# KiCad board cyberdeck-alpha.kicad_pcb (continued)
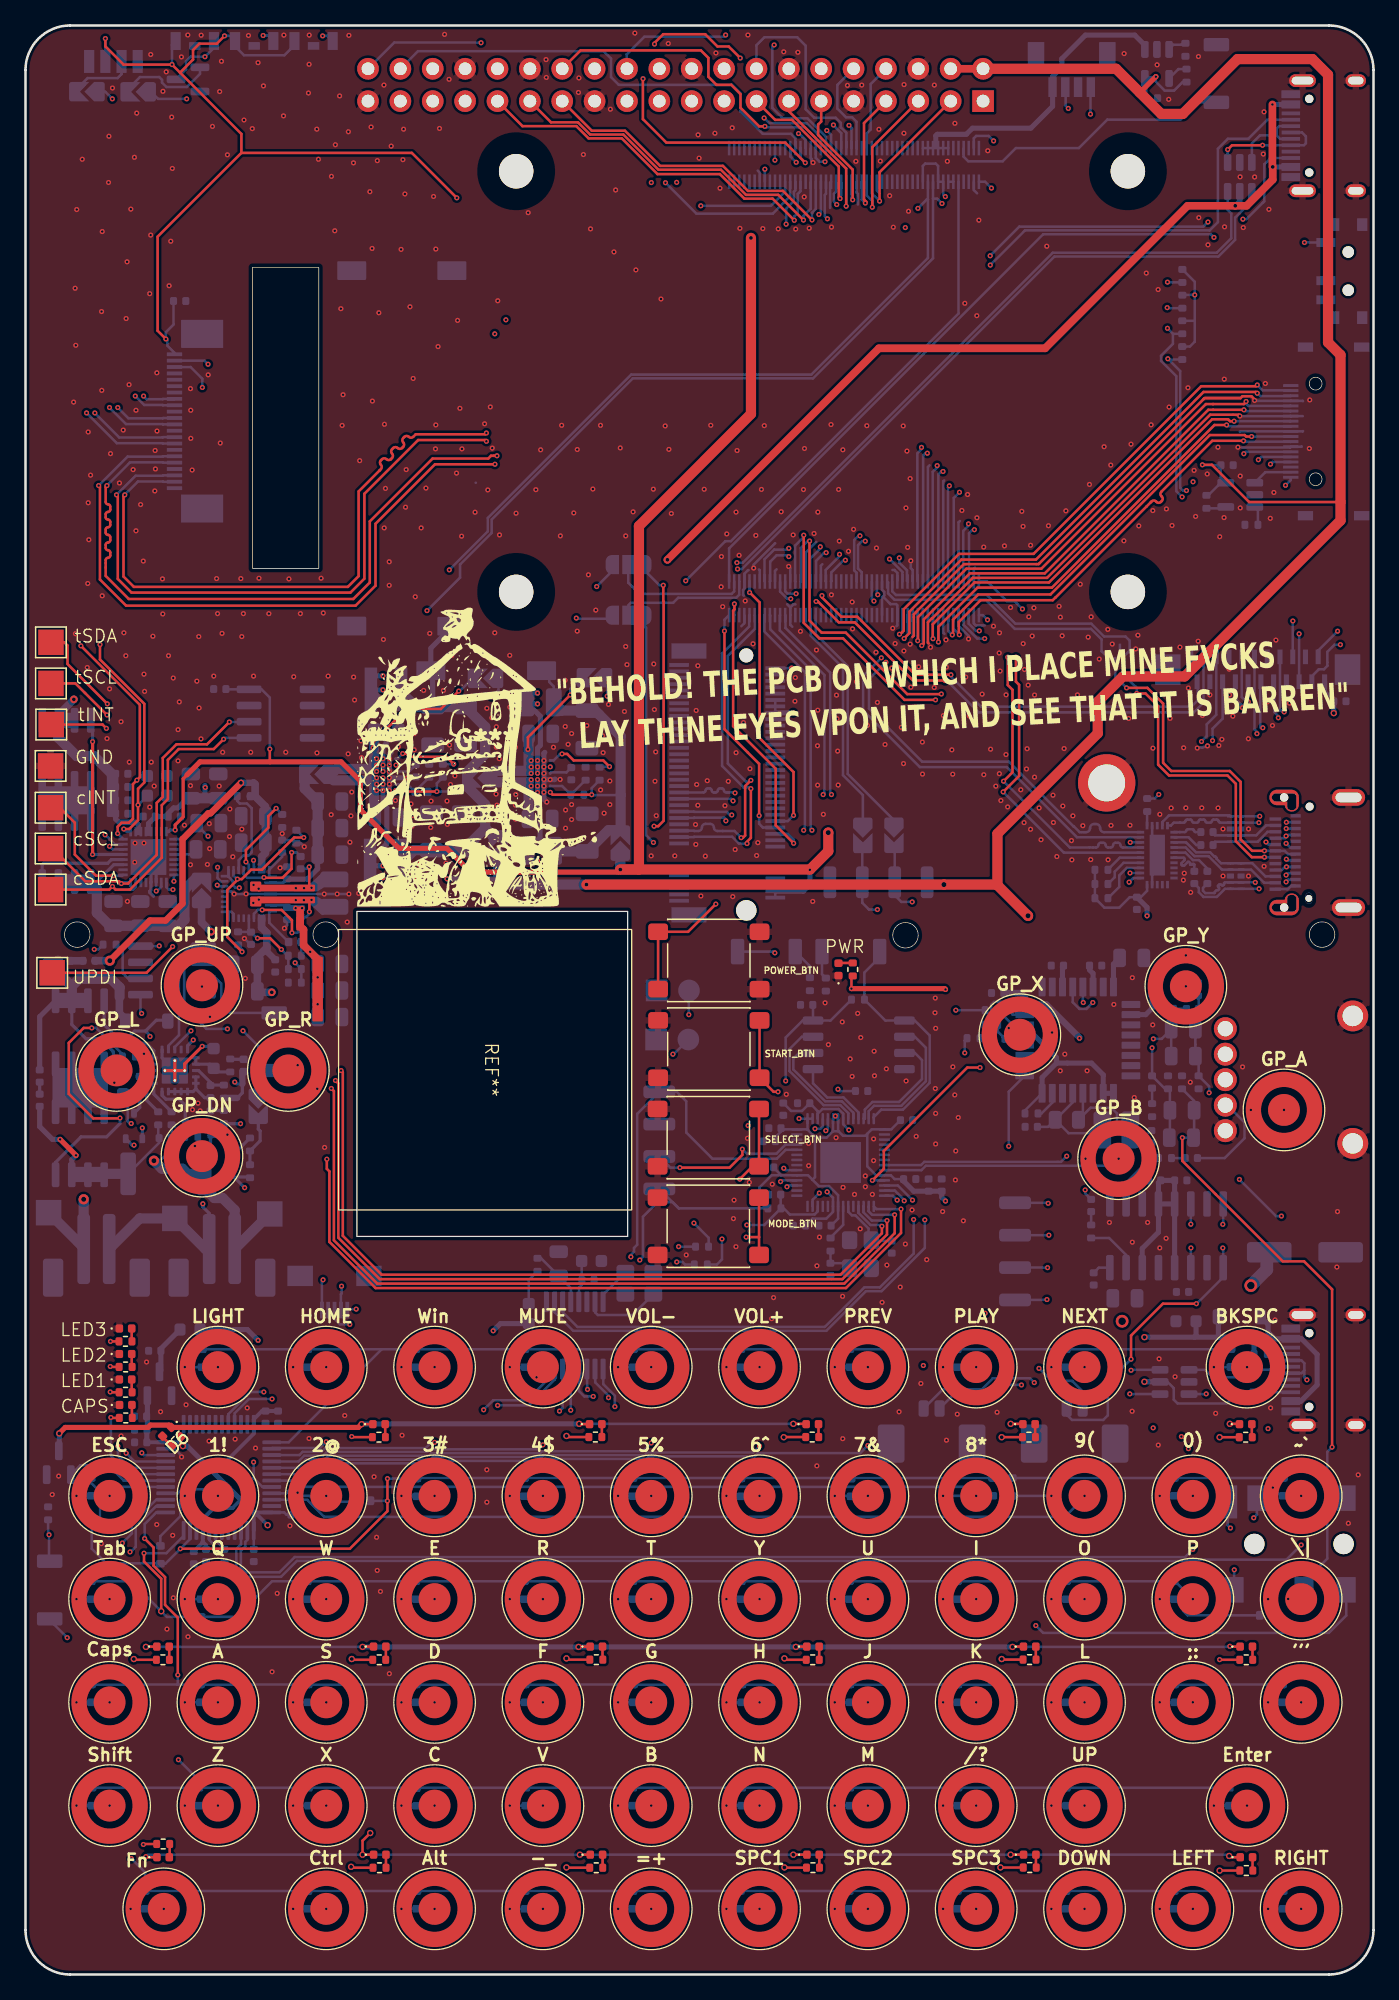
[diagram p0: board, top side]
## Placement (name value [footprint] x y rotation side) (continued)
R3  30R  [R_0402_1005Metric]  11.83 41.84 45 top
R4  30R  [R_0402_1005Metric]  95.79 24.69 180 top
R5  30R  [R_0402_1005Metric]  10.78 24.69 180 top
R6  30R  [R_0402_1005Metric]  95.75 42.15 180 top
R7  30R  [R_0402_1005Metric]  10.81 10.24 180 top
R8  30R  [R_0402_1005Metric]  78.8 8.39 180 top
R9  30R  [R_0402_1005Metric]  27.73 42.16 180 top
R10  30R  [R_0402_1005Metric]  78.79 24.71 180 top
R11  30R  [R_0402_1005Metric]  27.76 24.69 180 top
R12  30R  [R_0402_1005Metric]  78.74 42.16 180 top
R13  30R  [R_0402_1005Metric]  27.78 8.38 180 top
R14  30R  [R_0402_1005Metric]  61.79 8.38 180 top
R15  30R  [R_0402_1005Metric]  44.72 42.17 180 top
R16  30R  [R_0402_1005Metric]  61.77 24.69 180 top
R17  30R  [R_0402_1005Metric]  44.79 24.7 180 top
R18  30R  [R_0402_1005Metric]  61.73 42.17 180 top
R19  30R  [R_0402_1005Metric]  44.79 8.38 180 top
R20  30R  [R_0402_1005Metric]  7.85 49.67 0 top
R21  30R  [R_0402_1005Metric]  7.86 47.67 0 top
R22  30R  [R_0402_1005Metric]  7.86 45.68 0 top
R23  30R  [R_0402_1005Metric]  7.87 43.67 0 top
R24  30R  [R_0402_1005Metric]  64.91 78.85 90 top
R25  1K  [R_0402_1005Metric]  61.55 77.69 270 bottom
R26  10K  [R_0402_1005Metric]  65.32 76.48 0 bottom
R27  22R  [R_0402_1005Metric]  53.09 57.1 0 bottom
R28  22R  [R_0402_1005Metric]  52.99 55.7 0 bottom
R29  1K  [R_0402_1005Metric]  63.17 57.27 90 bottom
R30  1K  [R_0402_1005Metric]  62.8 77.66 270 bottom
R31  10K  [R_0402_1005Metric]  58.77 60.1 180 bottom
R32  10K  [R_0402_1005Metric]  83.62 58.29 270 bottom
R33  10K  [R_0402_1005Metric]  89.41 64.05 180 bottom
R34  16R  [R_0402_1005Metric]  88.4 67.81 90 bottom
R35  16R  [R_0402_1005Metric]  92 77.29 270 bottom
R36  3.3K  [R_0402_1005Metric]  89.65 69.99 270 bottom
R37  3.3K  [R_0402_1005Metric]  89.56 75.75 0 bottom
R38  3.3K  [R_0402_1005Metric]  90.75 69.99 270 bottom
R39  3.3K  [R_0402_1005Metric]  92.05 69.99 90 bottom
R40  56K  [R_0402_1005Metric]  96.82 45.66 180 bottom
R41  56K  [R_0402_1005Metric]  96.92 48.7 180 bottom
R42  0R  [R_0402_1005Metric]  40.18 55.68 270 bottom
R43  22R  [R_0402_1005Metric]  74.39 73.45 0 bottom
R44  22R  [R_0402_1005Metric]  75.81 75.65 0 bottom
R45  1.5K  [R_0402_1005Metric]  75.79 74.5 180 bottom
R46  1.5K  [R_0402_1005Metric]  78.94 67.55 0 bottom
R47  1M  [R_0805_2012Metric]  81.71 67.05 180 bottom
R48  470K  [R_0402_1005Metric]  32.75 94.43 270 bottom
R49  430K  [R_0402_1005Metric]  31.08 92.78 0 bottom
R50  82K  [R_0402_1005Metric]  31.68 94.43 270 bottom
R51  470K  [R_0402_1005Metric]  45.05 94.21 270 bottom
R52  470K  [R_0402_1005Metric]  43.3 92.56 0 bottom
R53  150K  [R_0402_1005Metric]  43.95 94.21 270 bottom
R54  1.8K  [R_0402_1005Metric]  90.78 133.26 270 bottom
R55  1.8K  [R_0402_1005Metric]  90.78 131.23 270 bottom
R56  10K  [R_0402_1005Metric]  92.67 115.53 90 bottom
R61  10K  [R_0402_1005Metric]  91.1 148.97 270 bottom
R62  6.8K  [R_0402_1005Metric]  96.19 113.73 0 bottom
R63  6.8K  [R_0402_1005Metric]  91.02 150.99 90 bottom
R64  1K  [R_0402_1005Metric]  17.62 63.02 270 bottom
R66  1K  [R_0402_1005Metric]  6.6 80.8 0 bottom
R67  200K  [R_0402_1005Metric]  88.02 91.75 270 bottom
R68  909K  [R_0402_1005Metric]  84.43 86.67 0 bottom
R69  10K  [R_0402_1005Metric]  84.43 84.44 0 bottom
R70  200K  [R_0402_1005Metric]  84.43 85.55 0 bottom
R71  100R  [R_0402_1005Metric]  17.13 92.44 0 bottom
R72  6.04K  [R_0402_1005Metric]  20.15 90.5 90 bottom
R73  127K  [R_0402_1005Metric]  16.68 81.29 90 bottom
R74  100K  [R_0402_1005Metric]  21.26 89.27 90 bottom
R75  10K  [R_0402_1005Metric]  21.14 78.88 0 bottom
R83  1.8K  [R_0402_1005Metric]  90.77 129.23 270 bottom
R84  1.8K  [R_0402_1005Metric]  90.77 127.21 270 bottom
R85  5.1K  [R_0402_1005Metric]  8.12 72.02 0 bottom
R86  5.1K  [R_0402_1005Metric]  8.12 73.07 0 bottom
R87  10M  [C_0603_1608Metric]  7.67 69.87 270 bottom
R88  100R  [R_0402_1005Metric]  16.07 71.32 90 bottom
R89  10R  [R_0402_1005Metric]  15.57 69.27 270 bottom
R90  10R  [R_0402_1005Metric]  15.57 67.27 270 bottom
R91  10R  [R_0402_1005Metric]  13.02 65.72 0 bottom
R92  100R  [R_0402_1005Metric]  11.47 67.17 90 bottom
R93  100R  [R_0402_1005Metric]  10.42 67.17 270 bottom
R94  1m  [R_2512_6332Metric]  11.02 62.82 0 bottom
R95  10K  [R_0402_1005Metric]  17.62 65.12 90 bottom
R96  10K  [R_0402_1005Metric]  21.14 77.82 180 bottom
R97  3.3K  [R_0402_1005Metric]  21.13 79.93 180 bottom
REF**  -  [JOYCON]  36.07 70.98 270 top  (not fitted)
RV1  10K  [RK10J12E0A0A volume thumbwheel]  94.15 66.2 90 bottom
S1  SSSS811101  [SW_SSSS811101]  103.79 133.63 270 bottom
SJ1  HUB_D_P  [SOLDERJUMPER_ARROW_NOPASTE]  65.71 89.37 270 bottom
SJ2  HUB_D_M  [SOLDERJUMPER_ARROW_NOPASTE]  68.15 89.38 270 bottom
SJ6  GPIO26_IR_SENS  [SOLDERJUMPER_ARROW_NOPASTE]  4.82 147.71 180 bottom
SJ7  GPIO16_IR_CTRL  [SOLDERJUMPER_ARROW_NOPASTE]  8.84 147.69 180 bottom
SJ8  3V_EN  [SOLDERJUMPER_ARROW_NOPASTE]  44.65 101.74 180 bottom
SJ9  5V_EN  [SOLDERJUMPER_ARROW_NOPASTE]  36.1 101.69 180 bottom
SJ10  3V_IN  [SOLDERJUMPER_ARROW_NOPASTE]  35.65 93.86 180 bottom
SJ11  5V_IN  [SOLDERJUMPER_ARROW_NOPASTE]  22.86 94.16 180 bottom
SJ12  5V_OUT  [SOLDERJUMPER_ARROW_NOPASTE]  37.1 88.39 90 bottom
SJ13  3V_OUT  [SOLDERJUMPER_ARROW_NOPASTE]  46.67 88.76 90 bottom
SJ14  SHP_OFF  [SOLDERJUMPER_ARROW_NOPASTE]  18.27 68.12 270 bottom
SJ15  PD_PSU  [SOLDERJUMPER_ARROW_NOPASTE]  13.82 85.05 90 bottom
TP1  TestPoint_Small  [TestPoint_Pad_2.0x2.0mm]  1.82 59.77 270 bottom
TP2  TestPoint_Small  [TestPoint_Pad_2.0x2.0mm]  11.72 59.32 270 bottom
TP3  TestPoint_Small  [TestPoint_Pad_2.0x2.0mm]  1.97 94.81 0 top
TP4  TestPoint_Small  [TestPoint_Pad_2.0x2.0mm]  2.1 78.59 0 top
TP5  TestPoint_Small  [TestPoint_Pad_2.0x2.0mm]  19.17 59.67 270 bottom
TP6  TestPoint_Small  [TestPoint_Pad_2.0x2.0mm]  2.02 98.06 0 top
TP7  TestPoint_Small  [TestPoint_Pad_2.0x2.0mm]  2 104.51 0 top
TP8  TestPoint_Small  [TestPoint_Pad_2.0x2.0mm]  2 101.29 0 top
TP10  TestPoint_Small  [TestPoint_Pad_2.0x2.0mm]  1.97 88.34 90 top
TP11  TestPoint_Small  [TestPoint_Pad_2.0x2.0mm]  1.97 85.11 90 top
TP12  TestPoint_Small  [TestPoint_Pad_2.0x2.0mm]  1.97 91.54 90 top
U1  W25Q128JVS  [SOIC-8_5.3x5.3mm_P1.27mm]  65.38 72.93 180 bottom
U2  STM32F072CBT6  [LQFP-48_7x7mm_P0.5mm]  15.16 39 90 bottom
U3  XC6206  [SOT-23]  10.51 46.35 90 bottom
U4  -  [BQ25792RQMR]  17.53 84.77 90 bottom
U5  RP2040  [QFN-56-1EP_7x7mm_P0.4mm_EP3.2x3.2mm]  63.96 63.7 180 bottom
U6  USBLC6-2SC6  [SOT-23-6]  90.16 46.49 180 bottom
U7  CH334R  [QSOP-16_3.9x4.9mm_P0.635mm]  43.1 50.14 90 bottom
U8  PAM8406AB  [SOP-16_3.9x9.9mm_P1.27mm]  89.54 57.95 90 bottom
U9  PCM2706CPJT  [QFP80P900X900X120-32N]  82.57 73.3 180 bottom
U10  TPS62180YZFR  [BGA24N50P4X6_310X210X62N]  28.3 94.13 0 bottom
U11  TPS62180YZFR  [BGA24N50P4X6_310X210X62N]  40.43 93.99 0 bottom
U12  SY6280_OCP  [SOT-23-5]  95.32 116.08 180 bottom
U14  USBLC6-2SC6  [SOT-23-6]  95.28 141.02 270 bottom
U15  SY6280_OCP  [SOT-23-5]  88.78 149.89 270 bottom
U16  BQ76905RGRR  [IC_BQ76905RGRR]  11.72 70.92 90 bottom
U17  ATtiny202-SS  [SOIC-8_3.9x4.9mm_P1.27mm]  11.5 78.78 0 bottom
U18  -  [TPS25751SRSMR]  9.65 87.67 180 bottom
U19  HD3SS3220IRNHT  [HD3SS3220]  88.81 87.82 0 bottom
U20  -  [TPD4EUSB30DQAR]  94.97 89.87 180 bottom
U21  -  [TPD4EUSB30DQAR]  94.97 86.18 180 bottom
U22  AT24CS01-SSHM  [SOIC-8_3.9x4.9mm_P1.27mm]  20.02 98.92 180 bottom
X1  X322512MSB4SI  [Crystal_SMD_3225-4Pin_3.2x2.5mm]  48.17 54.23 180 bottom
X2  X322512MSB4SI  [Crystal_SMD_3225-4Pin_3.2x2.5mm]  65.51 56.51 90 bottom
X3  X322512MSB4SI  [Crystal_SMD_3225-4Pin_3.2x2.5mm]  85.6 66.26 180 bottom

## Library data of the parts
BT1 BT2 = -: Description: Single-cell battery; LCSC: C7433663
C1 C17 C20 C66 C67 C72-C75 C79 C83 C88-C92 C100 C101 C106 C107 C113 C114 C119 C120 C123 = -: Description: Unpolarized capacitor, small symbol; LCSC: C1525; ki_fp_filters: C_*
C2 C3 = -: Description: Unpolarized capacitor, small symbol; LCSC: C52923; ki_fp_filters: C_*
C4 C5 C7 C10 C32 = -: Description: Unpolarized capacitor, small symbol; LCSC: C1525; MPN: CL05B104KB54PNC; ki_fp_filters: C_*
C6 C11 C76 C112 = -: Description: Unpolarized capacitor, small symbol; LCSC: C23733; MPN: CL05A475MP5NRNC; ki_fp_filters: C_*
C8 = -: Description: Unpolarized capacitor, small symbol; LCSC: C15195; MPN: CL05B103KB5NNNC; ki_fp_filters: C_*
C9 = -: Description: Unpolarized capacitor, small symbol; LCSC: C52923; MPN: CL05A105KA5NQNC; ki_fp_filters: C_*
C12 C15 C22-C25 C27 C29 C30 = -: Description: Unpolarized capacitor; LCSCS: C1525; LCSC: C1525; ki_fp_filters: C_*
C13 C14 = -: LCSC: C1554; ki_fp_filters: C_*
C16 C35 = -: Description: Unpolarized capacitor; LCSC: C1525; ki_fp_filters: C_*
C18 C19 = -: Description: Unpolarized capacitor; LCSC: C92361; ki_fp_filters: C_*
C21 C26 C31 C34 C36 C37 C48 C49 C51-C53 = -: Description: Unpolarized capacitor; LCSC: C52923; ki_fp_filters: C_*
C28 = -: Description: Unpolarized capacitor, small symbol; LCSC: C96446; MPN: CL05A105KA5NQNC; ki_fp_filters: C_*
C33 C39 C42-C45 C50 C54 C55 C61 C62 = -: Description: Unpolarized capacitor; LCSC: C6119899; ki_fp_filters: C_*
C38 = -: Description: Polarized capacitor; LCSC: C37308; ki_fp_filters: CP_*
C40 C41 = -: Description: Unpolarized capacitor; LCSC: C1532; ki_fp_filters: C_*
C46 C47 = -: Description: Unpolarized capacitor; LCSC: C1554; ki_fp_filters: C_*
C56-C59 C64 C65 = -: Description: Unpolarized capacitor; LCSC: C5448950; ki_fp_filters: C_*
C60 C63 = -: Description: Unpolarized capacitor; LCSC: C1536; ki_fp_filters: C_*
C77 C93 = -: Description: Unpolarized capacitor, small symbol; LCSC: C1538; ki_fp_filters: C_*
C84 = -: Description: Unpolarized capacitor, small symbol; LCSC: C23630; ki_fp_filters: C_*
C85-C87 = -: Description: Unpolarized capacitor, small symbol; LCSC: C16772; ki_fp_filters: C_*
C94 = -: Description: Unpolarized capacitor, small symbol; LCSC: C1523; ki_fp_filters: C_*
C95-C99 C102-C105 C108-C111 C121 C122 = -: Description: Unpolarized capacitor, small symbol; LCSC: C15850; ki_fp_filters: C_*
C115 C116 = -: Description: Unpolarized capacitor, small symbol; LCSC: C6119899; ki_fp_filters: C_*
C117 C118 = -: Description: Unpolarized capacitor, small symbol; LCSC: C1664; ki_fp_filters: C_*
D1 = -: Description: Light emitting diode; Sim.Pins: 1=K 2=A; LCSC: C41366936; Description_1: User3; ki_fp_filters: LED* LED_SMD:* LED_THT:*
D2 = -: Description: Light emitting diode; Sim.Pins: 1=K 2=A; LCSC: C41366936; Description_1: User2; ki_fp_filters: LED* LED_SMD:* LED_THT:*
D3 = -: Description: Light emitting diode; Sim.Pins: 1=K 2=A; LCSC: C41366936; Description_1: User1; ki_fp_filters: LED* LED_SMD:* LED_THT:*
D4 = -: Description: Light emitting diode; Sim.Pins: 1=K 2=A; LCSC: C41366936; Description_1: CAPS; ki_fp_filters: LED* LED_SMD:* LED_THT:*
D5-D22 = -: Description: Light emitting diode; Sim.Pins: 1=K 2=A; LCSC: C41366936; ki_fp_filters: LED* LED_SMD:* LED_THT:*
D23 = -: Description: Light emitting diode; Sim.Pins: 1=K 2=A; LCSC: C41366936; Description_1: PWR_LED; ki_fp_filters: LED* LED_SMD:* LED_THT:*
D27-D29 = -: Description: Light emitting diode with pad; LCSC: C2759909; ki_fp_filters: LED* LED_SMD:* LED_THT:*
D30 D32 = -: Description: Schottky diode; LCSC: C2837790; ki_fp_filters: TO-???* *_Diode_* *SingleDiode* D_*
D31 = -: Description: Zener diode; LCSC: C36599; Sim.Device: D; Sim.Pins: 1=K 2=A; ki_fp_filters: TO-???* *_Diode_* *SingleDiode* D_*
D33 = -: Description: Zener diode; LCSC: C151819; Sim.Device: D; Sim.Pins: 1=K 2=A; ki_fp_filters: TO-???* *_Diode_* *SingleDiode* D_*
D34 = -: MF: Texas Instruments; Description_1: Dual  0.7-pF, 5.5-V ±8-kV  ESD protection diode with 5-A  surge rating for USB 3.0; Package: SOT-9X3-3 Texas Instruments; Price: None; SnapEDA_Link: https://www.snapeda.com/parts/TPD2EUSB30DRTR/Texas+Instruments/view-part/?ref=snap; Availability: In Stock; Check_prices: https://www.snapeda.com/parts/TPD2EUSB30DRTR/Texas+Instruments/view-part/?ref=eda; LCSC: C97502
D35 = -: Description: Light emitting diode; Sim.Pins: 1=K 2=A; LCSC: C41366936; Description_1: CHG_LED; ki_fp_filters: LED* LED_SMD:* LED_THT:*
D_1-D_68 = -: LCSC: C27748; ki_fp_filters: TO-???* *_Diode_* *SingleDiode* D_*
D_69 = -: LCSC: C116159; ki_fp_filters: TO-???* *_Diode_* *SingleDiode* D_*
F1 F3 F4 = -: Description: Fuse, small symbol; LCSC: C210357; ki_fp_filters: *Fuse*
H1 = -: Description: Mounting Hole without connection; ki_fp_filters: MountingHole*
H2 = -: Description: 3mm-height SMD M.2 m2 mounting nut; LCSC: C2928179; ki_fp_filters: MountingHole*Pad*
J1 = -: Description: Generic connector, single row, 01x04, script generated (kicad-library-utils/schlib/autogen/connector/); LCSC: C160390; ki_fp_filters: Connector*:*_1x??_*
J2 J3 = -: Description: Generic connector, single row, 01x02, script generated; ki_fp_filters: Connector*:*_1x??_*
J4 J9 = -: Description: Generic connector, single row, 01x04, script generated; ki_fp_filters: Connector*:*_1x??_*
J5 = -: Description: Generic connector, single row, 01x04, script generated (kicad-library-utils/schlib/autogen/connector/); ki_fp_filters: Connector*:*_1x??_*
J6 J13 = -: Datasheet: https://www.usb.org/sites/default/files/documents/usb_type-c.zip; Description: USB 2.0-only 16P Type-C Receptacle connector; LCSC: C165948; Description_1: USB 2.0; ki_fp_filters: USB*C*Receptacle*
J7 = -: Description: Generic connector, single row, 01x05, script generated (kicad-library-utils/schlib/autogen/connector/); LCSC: C5213747; ki_fp_filters: Connector*:*_1x??_*
J8 = -: MF: Shouhan; Description_1: Phone Jack; Package: Package; Price: None; SnapEDA_Link: https://www.snapeda.com/parts/PJ-342B/Shouhan/view-part/?ref=snap; Availability: Not in stock; Check_prices: https://www.snapeda.com/parts/PJ-342B/Shouhan/view-part/?ref=eda; LCSC: C7507452
J11 = -: Description: Generic connectable mounting pin connector, single row, 01x22, script generated (kicad-library-utils/schlib/autogen/connector/); LCSC: C262642; ki_fp_filters: Connector*:*_1x??-1MP*
J12 = -: Datasheet: http://pinoutguide.com/PortableDevices/mini_hdmi_pinout.shtml; Description: HDMI 1.3+ type C connector; LCSC: C183605; ki_fp_filters: HDMI*C*
J15 = -: Description: Generic connector, double row, 02x20, odd/even pin numbering scheme (row 1 odd numbers, row 2 even numbers), script generated (kicad-library-utils/schlib/autogen/connector/); LCSC: C2895000; ki_fp_filters: Connector*:*_2x??_*
J16 = -: Datasheet: https://web.archive.org/web/20200613074028/http://read.pudn.com/downloads794/doc/project/3133918/PCIe_M.2_Electromechanical_Spec_Rev1.0_Final_11012013_RS_Clean.pdf#page=155; Description: M.2 Socket 3 Mechanical Key M; MF: TE Connectivity; PACKAGE: None; PRICE: None; Package: None; Check_prices: https://www.snapeda.com/parts/1-2199119-5/TE+Connectivity+AMP+Connectors/view-part/?ref=eda; Price: None; SnapEDA_Link: https://www.snapeda.com/parts/1-2199119-5/TE+Connectivity+AMP+Connectors/view-part/?ref=snap; Availability: In Stock; AVAILABILITY: Unavailable; Description_1: M.2 0.5PITCH 3.2H KEY M 15Uinch AU, M.2 Connectors | TE Connectivity 1-2199119-5; LCSC: C574849; ki_fp_filters: *M*2*M*
J19 = -: Description: 38kHz 40m 700uA ±50° SMD-4P,3x6.8mm Infrared Remote Receiver; LCSC: C145446; ki_fp_filters: Connector*:*_1x??_*
J20 = -: Description: Generic connectable mounting pin connector, single row, 01x22, script generated (kicad-library-utils/schlib/autogen/connector/); LCSC: C5248019; ki_fp_filters: Connector*:*_1x??-1MP*
J21 = -: MF: JAE Electronics; MAXIMUM_PACKAGE_HEIGHT: 3.29 mm; Package: None; Price: None; Check_prices: https://www.snapeda.com/parts/DX07S024JJ2R1300/JAE+Electronics/view-part/?ref=eda; STANDARD: Manufacturer Recommendations; PARTREV: 3; SnapEDA_Link: https://www.snapeda.com/parts/DX07S024JJ2R1300/JAE+Electronics/view-part/?ref=snap; Purchase-URL: https://www.snapeda.com/api/url_track_click_mouser/?unipart_id=473419&manufacturer=JAE Electronics&part_name=DX07S024JJ2R1300&search_term=None; Description_1: top mount dual row SMT receptacle, 24 position, 1300 pcs/reel | JAE Electronics Inc. DX07S024JJ2R1300; Availability: In Stock; MANUFACTURER: JAE; LCSC: C2977282
JP1 JP2 = -: Description: Solder Jumper, 3-pole, open; ki_fp_filters: SolderJumper*Open*
K_73 = -: Description: Push button switch, generic, two pins; Description_1: GP_STA; LCSC: C7470157
K_74 = -: Description: Push button switch, generic, two pins; Description_1: GP_SEL; LCSC: C7470157
K_79 = -: Description: Push button switch, generic, two pins; Description_1: PWR_BTN; LCSC: C7470157
K_80 = -: Description: Push button switch, generic, two pins; Description_1: GP_MODE; LCSC: C7470157
K_81 = -: Description: Push button switch, generic, two pins; Description_1: Reset; LCSC: C720477
K_82 = -: Description: Push button switch, generic, two pins; Description_1: Boot; LCSC: C720477
K_83 = -: Description: Push button switch, generic, two pins; Description_1: KB Boot; LCSC: C720477
K_84 = -: Description: Push button switch, generic, two pins; Description_1: CM5_BOOT; LCSC: C720477
K_85 = -: Description: Push button switch, generic, two pins; Description_1: SHIP_MODE; LCSC: C720477
L1 L2 = -: Description: Inductor; LCSC: C5355380; ki_fp_filters: Choke_* *Coil* Inductor_* L_*
L3 L4 L6 = -: Description: Inductor; LCSC: C882955; ki_fp_filters: Choke_* *Coil* Inductor_* L_*
LS1 = -: Description: Speaker; LCSC: C177225; Description_1: LEFT_SPK
LS2 = -: Description: Speaker; LCSC: C177225; Description_1: RIGHT_SPK
Module2 Module3 = -: Description: RaspberryPi Compute module 5; Field4: Amphenol; LCSC: C6782225
NT1-NT3 NT6 NT7 = -: Description: Net tie, 2 pins; ki_fp_filters: Net*Tie*
Q1 Q5 = -: Datasheet: https://www.infineon.com/dgdl/Infineon-IRLML6244-DataSheet-v01_01-EN.pdf?fileId=5546d462533600a4015356686fed261f; Description: 6.3A Id, 20V Vds, 21mOhm Rds, N-Channel StrongIRFET Power MOSFET, SOT-23; LCSC: C5364313; ki_fp_filters: SOT?23*
Q2 = -: Description: Depletion-mode P-channel MOSFET; LCSC: C52641
Q3 Q6-Q8 = -: Description: Depletion-mode N-channel MOSFET, drain/gate/source; LCSC: C144929
R1 R75 R96 = -: Description: Resistor, small symbol; LCSC: C25744; ki_fp_filters: R_*
R2-R24 = -: Description: Resistor, small symbol; LCSC: C1091; ki_fp_filters: R_*
R25 R29 R30 R64 R66 = -: Description: Resistor; LCSC: C11702; ki_fp_filters: R_*
R26 R31-R33 R56 R61 R69 R95 = -: Description: Resistor; LCSC: C25744; ki_fp_filters: R_*
R27 R28 R43 R44 = -: Description: Resistor; LCSC: C25092; ki_fp_filters: R_*
R34 R35 = -: Description: Resistor; LCSC: C270416; ki_fp_filters: R_*
R36-R39 R97 = -: Description: Resistor; LCSC: C25890; ki_fp_filters: R_*
R40 R41 = -: Description: Resistor; LCSC: C25796; ki_fp_filters: R_*
R42 = -: Description: Resistor; LCSC: C17168; ki_fp_filters: R_*
R45 R46 = -: Description: Resistor; LCSC: C25867; ki_fp_filters: R_*
R47 = -: Description: Resistor; LCSC: C17514; ki_fp_filters: R_*
R48 R51 R52 = -: Description: Resistor; LCSC: C177264; ki_fp_filters: R_*
R49 = -: Description: Resistor; LCSC: C131588; ki_fp_filters: R_*
R50 = -: Description: Resistor; LCSC: C4142; ki_fp_filters: R_*
R53 = -: Description: Resistor; LCSC: C25755; ki_fp_filters: R_*
R54 R55 R83 R84 = -: Description: Resistor; LCSC: C25871; ki_fp_filters: R_*
R62 R63 = -: Description: Resistor; LCSC: C25917; ki_fp_filters: R_*
R67 R70 = -: Description: Resistor; LCSC: C25764; ki_fp_filters: R_*
R68 = -: Description: Resistor; LCSC: C25799; ki_fp_filters: R_*
R71 R88 R92 R93 = -: Description: Resistor; LCSC: C25076; ki_fp_filters: R_*
R72 = -: Description: Resistor; LCSC: C25913; ki_fp_filters: R_*
R73 = -: Description: Resistor; LCSC: C5126094; ki_fp_filters: R_*
R74 = -: Description: Resistor; LCSC: C25741; ki_fp_filters: R_*
R85 R86 = -: Description: Resistor; LCSC: C25905; ki_fp_filters: R_*
R87 = -: Description: Resistor; LCSC: C7250; ki_fp_filters: R_*
R89-R91 = -: Description: Resistor; LCSC: C25077; ki_fp_filters: R_*
R94 = -: Description: Resistor, small symbol; LCSC: C19270875; ki_fp_filters: R_*
RV1 = -: LCSC: C231765
S1 = -: MF: ALPS; MAXIMUM_PACKAGE_HEIGHT: 1.60 mm; Package: None; Price: None; Check_prices: https://www.snapeda.com/parts/SSSS811101/ALPS/view-part/?ref=eda; STANDARD: Manufacturer Recommendations; PARTREV: N/A; SnapEDA_Link: https://www.snapeda.com/parts/SSSS811101/ALPS/view-part/?ref=snap; Description_1: Switch Slide SP Side Slide 0.3A 5VDC 10000Cycles Gull Wing SMD T/R; Availability: In Stock; MANUFACTURER: ALPS; LCSC: C109335
SJ11 = -: Desc: VREGS_IN
SJ14 = -: Desc: PwrBtnShipOff
SJ15 = -: Desc: CHG
TP1-TP8 TP10-TP12 = -: Description: test point; ki_fp_filters: Pin* Test*
U1 = -: Datasheet: https://www.winbond.com/resource-files/w25q128jv_dtr%20revc%2003272018%20plus.pdf; Description: 128Mbit / 16MiB Serial Flash Memory, Standard/Dual/Quad SPI, 2.7-3.6V, SOIC-8; LCSC: C97521; ki_fp_filters: *SOIC*5.3x5.3mm*P1.27mm*
U2 = -: Datasheet: https://www.st.com/resource/en/datasheet/stm32f072cb.pdf; Description: STMicroelectronics Arm Cortex-M0 MCU, 128KB flash, 16KB RAM, 48 MHz, 2.0-3.6V, 37 GPIO, LQFP48; LCSC: C81720; JlcRotOffset: -90; ki_fp_filters: LQFP*7x7mm*P0.5mm*
U3 = -: Datasheet: https://www.torexsemi.com/file/xc6206/XC6206.pdf; Description: Positive 60-250mA Low Dropout Regulator, Fixed Output, SOT-23; LCSC: C5446; JlcRotOffset: 180; ki_fp_filters: SOT?23?3*
U4 = -: MF: Texas Instruments; MAXIMUM_PACKAGE_HEIGHT: 1 mm; Package: VFQFN-29 Texas Instruments; Price: None; Check_prices: https://www.snapeda.com/parts/BQ25792RQMR/Texas+Instruments/view-part/?ref=eda; STANDARD: Manufacturer Recommendations; PARTREV: 11/2019; SnapEDA_Link: https://www.snapeda.com/parts/BQ25792RQMR/Texas+Instruments/view-part/?ref=snap; Description_1: I2C controlled, 5-A, 1-4 cell buck-boost charger with dual-input selector and USB PD 3.0 OTG output; Availability: In Stock; MANUFACTURER: Texas Instruments; LCSC: C2862876
U5 = -: Datasheet: https://datasheets.raspberrypi.com/rp2040/rp2040-datasheet.pdf; Description: A microcontroller by Raspberry Pi; LCSC: C2040; ki_fp_filters: QFN*1EP*7x7mm?P0.4mm*
U6 U14 = -: Datasheet: https://www.st.com/resource/en/datasheet/usblc6-2.pdf; Description: Very low capacitance ESD protection diode, 2 data-line, SOT-23-6; LCSC: C2827654; JlcRotOffset: -90; ki_fp_filters: SOT?23*
U7 = -: Datasheet: https://www.wch-ic.com/downloads/file/327.html; Description: USB HUB controller, UART, QSOP-16; LCSC: C4154405; ki_fp_filters: QSOP*3.9x4.9mm*P0.635mm*
U8 = -: Datasheet: https://www.diodes.com/assets/Datasheets/products_inactive_data/PAM8403.pdf; Description: 3W Filterless Class-D Stereo Audio Amplifier, SOP-16; LCSC: C86270; ki_fp_filters: SOP*3.9x9.9mm*P1.27mm*
U9 = -: DigiKey_Part_Number: 296-39144-ND; SnapEDA_Link: https://www.snapeda.com/parts/PCM2706CPJT/Texas+Instruments/view-part/?ref=snap; Description_1: 98dB SNR Stereo Full Speed DAC with line-out and S/PDIF output, Bus/Self-powered (I2S); MF: Texas Instruments; Package: TQFP-32 Texas Instruments; Check_prices: https://www.snapeda.com/parts/PCM2706CPJT/Texas+Instruments/view-part/?ref=eda; LCSC: C2651268
U10 U11 = -: MF: Texas Instruments; MAXIMUM_PACKAGE_HEIGHT: 0.625 mm; Package: DSBGA-24 Texas Instruments; Price: None; Check_prices: https://www.snapeda.com/parts/TPS62180YZFR/Texas+Instruments/view-part/?ref=eda; STANDARD: Manufacturer recommendations; PARTREV: B; SnapEDA_Link: https://www.snapeda.com/parts/TPS62180YZFR/Texas+Instruments/view-part/?ref=snap; Description_1: 4-V to 15-V, 6-A synchronous buck converter with power good, 1% accuracy, and adjustable soft start; Availability: In Stock; MANUFACTURER: Texas Instruments; LCSC: C2071394
U12 U15 = -: Datasheet: https://www.onsemi.com/pdf/datasheet/ncp361-d.pdf; Description: Overcurrent Protection Diode; LCSC: C55136; ki_fp_filters: DFN*1EP*2x2mm*P0.65mm*
U16 = -: MF: Texas Instruments; MAXIMUM_PACKAGE_HEIGHT: 1mm; Package: VFQFN-20 Texas Instruments; Price: None; Check_prices: https://www.snapeda.com/parts/BQ76905RGRR/Texas+Instruments/view-part/?ref=eda; STANDARD: Manufacturer Recommendations; PARTREV: November 2023; SnapEDA_Link: https://www.snapeda.com/parts/BQ76905RGRR/Texas+Instruments/view-part/?ref=snap; Description_1: Battery Monitoring/Protection Li-FePO4/Li-Ion/Li-Pol/LTO -25V to 27.5V T/R; Availability: In Stock; MANUFACTURER: Texas Instruments; LCSC: C22394458
U17 = -: Datasheet: http://ww1.microchip.com/downloads/en/DeviceDoc/ATtiny202-402-AVR-MCU-with-Core-Independent-Peripherals_and-picoPower-40001969A.pdf; Description: 20MHz, 2kB Flash, 128B SRAM, 64B EEPROM, SOIC-8; ki_fp_filters: SOIC*3.9x4.9mm*P1.27mm*
U18 = -: Description: USB-C PD Controller with Integrated Power Switches; LCSC: C22460852
U19 = -: Description: 10-Gbps USB 3.1 Type-C 2:1 mux with DRP Controller; MF: Texas Instruments; DESCRIPTION: Super Speed Type-C DRP Port Controller USB 3.1 3.3V/5V T/R 30-Pin WQFN EP; PACKAGE: WQFN-30 Texas Instruments; PRICE: 3.26 USD; Package: WQFN-30 Texas Instruments; Check_prices: https://www.snapeda.com/parts/HD3SS3220IRNHT/Texas+Instruments/view-part/?ref=eda; PART_REV: C; STANDARD: IPC-7351B; SnapEDA_Link: https://www.snapeda.com/parts/HD3SS3220IRNHT/Texas+Instruments/view-part/?ref=snap; Price: None; Availability: In Stock; AVAILABILITY: Good; Description_1: 10-Gbps USB 3.1 Type-C 2:1 mux with DRP Controller; LCSC: C165155
U20 U21 = -: MF: Texas Instruments; MAXIMUM_PACKAGE_HEIGHT: 0.55 mm; Package: USON-10 Texas Instruments; Price: None; Check_prices: https://www.snapeda.com/parts/TPD4EUSB30DQAR/Texas+Instruments/view-part/?ref=eda; STANDARD: Manufacturer Recommendations; PARTREV: F; SnapEDA_Link: https://www.snapeda.com/parts/TPD4EUSB30DQAR/Texas+Instruments/view-part/?ref=snap; Purchase-URL: https://www.snapeda.com/api/url_track_click_mouser/?unipart_id=298999&manufacturer=Texas Instruments&part_name=TPD4EUSB30DQAR&search_term=None; Description_1: Quad 0.8-pF, 5.5-V, ±8-kV ESD protection diode with 5-A 8/20-uS surge rating for USB 3.0; Availability: In Stock; MANUFACTURER: Texas Instruments; LCSC: C90627
U22 = -: Datasheet: http://ww1.microchip.com/downloads/en/DeviceDoc/Atmel-8815-SEEPROM-AT24CS01-02-Datasheet.pdf; Description: I2C Serial EEPROM, 1Kb (128x8) with Unique Serial Number, SO8; LCSC: C12371; ki_fp_filters: SOIC*3.9x4.9mm*P1.27mm*
X1 X3 = -: Description: Four pin crystal, GND on pins 2 and 4; LCSC: C9002; ki_fp_filters: Crystal*
X2 = -: LCSC: C9002; ki_fp_filters: Crystal*

## Footprints (pads in the part's own frame, mm; a bottom-side part is the same pattern mirrored in y, then rotated)
1-2199119-5 M.2 M key
  round 1.1 hole 1.1 unplated: (-10,-1.5)
  round 1.6 hole 1.6 unplated: (10,-1.5)
  rect 0.3x1.55 smd: 1(-9.25,3.775) 2(-9,-3.775) 3(-8.75,3.775) 4(-8.5,-3.775) 5(-8.25,3.775) 6(-8,-3.775) 7(-7.75,3.775) 8(-7.5,-3.775) 9(-7.25,3.775) 10(-7,-3.775) 11(-6.75,3.775) 12(-6.5,-3.775) 13(-6.25,3.775) 14(-6,-3.775) 15(-5.75,3.775) 16(-5.5,-3.775) 17(-5.25,3.775) 18(-5,-3.775) 19(-4.75,3.775) 20(-4.5,-3.775) 21(-4.25,3.775) 22(-4,-3.775) 23(-3.75,3.775) 24(-3.5,-3.775) 25(-3.25,3.775) 26(-3,-3.775) 27(-2.75,3.775) 28(-2.5,-3.775) 29(-2.25,3.775) 30(-2,-3.775) 31(-1.75,3.775) 32(-1.5,-3.775) 33(-1.25,3.775) 34(-1,-3.775) 35(-0.75,3.775) 36(-0.5,-3.775) 37(-0.25,3.775) 38(0,-3.775) 39(0.25,3.775) 40(0.5,-3.775) 41(0.75,3.775) 42(1,-3.775) 43(1.25,3.775) 44(1.5,-3.775) 45(1.75,3.775) 46(2,-3.775) 47(2.25,3.775) 48(2.5,-3.775) 49(2.75,3.775) 50(3,-3.775) 51(3.25,3.775) 52(3.5,-3.775) 53(3.75,3.775) 54(4,-3.775) 55(4.25,3.775) 56(4.5,-3.775) 57(4.75,3.775) 58(5,-3.775) 67(7.25,3.775) 68(7.5,-3.775) 69(7.75,3.775) 70(8,-3.775) 71(8.25,3.775) 72(8.5,-3.775) 73(8.75,3.775) 74(9,-3.775) 75(9.25,3.775)
  rect 1.2x2.75 smd: SH1(-10.35,3) SH1(10.35,3)
1x04_P2.54 SMD pads only
  rrect 2.5x1 smd: 1(-0.05,13.98) 2(-0.05,11.44) 3(-0.05,8.9) 4(-0.05,6.36)
AFC01-S05FCA-00_1x05_P0.5mm_FFC_Bottom_Contact
  rect 2x1.6 smd: (-2.7,-2.68) (2.7,-2.68)
  rect 0.3x1.3 smd: 1(-0.99,0) 2(-0.5,0) 3(0,0) 4(0.5,0) 5(1,0)
AFC07-S22ECA-00
  rect 0.3x1.2 smd: 1(-5.25,0) 2(-4.75,0) 3(-4.25,0) 4(-3.75,0) 5(-3.25,0) 6(-2.75,0) 7(-2.25,0) 8(-1.75,0) 9(-1.25,0) 10(-0.75,0) 11(-0.25,0) 12(0.25,0) 13(0.75,0) 14(1.25,0) 15(1.75,0) 16(2.25,0) 17(2.75,0) 18(3.25,0) 19(3.75,0) 20(4.25,0) 21(4.75,0) 22(5.25,0)
  rect 2.2x3.3 smd: MP(-6.85,-2.17) MP(6.85,-2.17)
AMPHENOL_10164227-1004A1RLF
  rect 0.2x1.14 smd: 1(9.8,1.32) 2(9.8,-1.32) 3(9.4,1.32) 4(9.4,-1.32) 5(9,1.32) 6(9,-1.32) 7(8.6,1.32) 8(8.6,-1.32) 9(8.2,1.32) 10(8.2,-1.32) 11(7.8,1.32) 12(7.8,-1.32) 13(7.4,1.32) 14(7.4,-1.32) 15(7,1.32) 16(7,-1.32) 17(6.6,1.32) 18(6.6,-1.32) 19(6.2,1.32) 20(6.2,-1.32) 21(5.8,1.32) 22(5.8,-1.32) 23(5.4,1.32) 24(5.4,-1.32) 25(5,1.32) 26(5,-1.32) 27(4.6,1.32) 28(4.6,-1.32) 29(4.2,1.32) 30(4.2,-1.32) 31(3.8,1.32) 32(3.8,-1.32) 33(3.4,1.32) 34(3.4,-1.32) 35(3,1.32) 36(3,-1.32) 37(2.6,1.32) 38(2.6,-1.32) 39(2.2,1.32) 40(2.2,-1.32) 41(1.8,1.32) 42(1.8,-1.32) 43(1.4,1.32) 44(1.4,-1.32) 45(1,1.32) 46(1,-1.32) 47(0.6,1.32) 48(0.6,-1.32) 49(0.2,1.32) 50(0.2,-1.32) 51(-0.2,1.32) 52(-0.2,-1.32) 53(-0.6,1.32) 54(-0.6,-1.32) 55(-1,1.32) 56(-1,-1.32) 57(-1.4,1.32) 58(-1.4,-1.32) 59(-1.8,1.32) 60(-1.8,-1.32) 61(-2.2,1.32) 62(-2.2,-1.32) 63(-2.6,1.32) 64(-2.6,-1.32) 65(-3,1.32) 66(-3,-1.32) 67(-3.4,1.32) 68(-3.4,-1.32) 69(-3.8,1.32) 70(-3.8,-1.32) 71(-4.2,1.32) 72(-4.2,-1.32) 73(-4.6,1.32) 74(-4.6,-1.32) 75(-5,1.32) 76(-5,-1.32) 77(-5.4,1.32) 78(-5.4,-1.32) 79(-5.8,1.32) 80(-5.8,-1.32) 81(-6.2,1.32) 82(-6.2,-1.32) 83(-6.6,1.32) 84(-6.6,-1.32) 85(-7,1.32) 86(-7,-1.32) 87(-7.4,1.32) 88(-7.4,-1.32) 89(-7.8,1.32) 90(-7.8,-1.32) 91(-8.2,1.32) 92(-8.2,-1.32) 93(-8.6,1.32) 94(-8.6,-1.32) 95(-9,1.32) 96(-9,-1.32) 97(-9.4,1.32) 98(-9.4,-1.32) 99(-9.8,1.32) 100(-9.8,-1.32)
AMPHENOL_10164227-1004A1RLF-101-200
  rect 0.2x1.14 smd: 101(9.8,1.32) 102(9.8,-1.32) 103(9.4,1.32) 104(9.4,-1.32) 105(9,1.32) 106(9,-1.32) 107(8.6,1.32) 108(8.6,-1.32) 109(8.2,1.32) 110(8.2,-1.32) 111(7.8,1.32) 112(7.8,-1.32) 113(7.4,1.32) 114(7.4,-1.32) 115(7,1.32) 116(7,-1.32) 117(6.6,1.32) 118(6.6,-1.32) 119(6.2,1.32) 120(6.2,-1.32) 121(5.8,1.32) 122(5.8,-1.32) 123(5.4,1.32) 124(5.4,-1.32) 125(5,1.32) 126(5,-1.32) 127(4.6,1.32) 128(4.6,-1.32) 129(4.2,1.32) 130(4.2,-1.32) 131(3.8,1.32) 132(3.8,-1.32) 133(3.4,1.32) 134(3.4,-1.32) 135(3,1.32) 136(3,-1.32) 137(2.6,1.32) 138(2.6,-1.32) 139(2.2,1.32) 140(2.2,-1.32) 141(1.8,1.32) 142(1.8,-1.32) 143(1.4,1.32) 144(1.4,-1.32) 145(1,1.32) 146(1,-1.32) 147(0.6,1.32) 148(0.6,-1.32) 149(0.2,1.32) 150(0.2,-1.32) 151(-0.2,1.32) 152(-0.2,-1.32) 153(-0.6,1.32) 154(-0.6,-1.32) 155(-1,1.32) 156(-1,-1.32) 157(-1.4,1.32) 158(-1.4,-1.32) 159(-1.8,1.32) 160(-1.8,-1.32) 161(-2.2,1.32) 162(-2.2,-1.32) 163(-2.6,1.32) 164(-2.6,-1.32) 165(-3,1.32) 166(-3,-1.32) 167(-3.4,1.32) 168(-3.4,-1.32) 169(-3.8,1.32) 170(-3.8,-1.32) 171(-4.2,1.32) 172(-4.2,-1.32) 173(-4.6,1.32) 174(-4.6,-1.32) 175(-5,1.32) 176(-5,-1.32) 177(-5.4,1.32) 178(-5.4,-1.32) 179(-5.8,1.32) 180(-5.8,-1.32) 181(-6.2,1.32) 182(-6.2,-1.32) 183(-6.6,1.32) 184(-6.6,-1.32) 185(-7,1.32) 186(-7,-1.32) 187(-7.4,1.32) 188(-7.4,-1.32) 189(-7.8,1.32) 190(-7.8,-1.32) 191(-8.2,1.32) 192(-8.2,-1.32) 193(-8.6,1.32) 194(-8.6,-1.32) 195(-9,1.32) 196(-9,-1.32) 197(-9.4,1.32) 198(-9.4,-1.32) 199(-9.8,1.32) 200(-9.8,-1.32)
